# KiCad board GPDI_ULX3S_panel.kicad_pcb (continued)
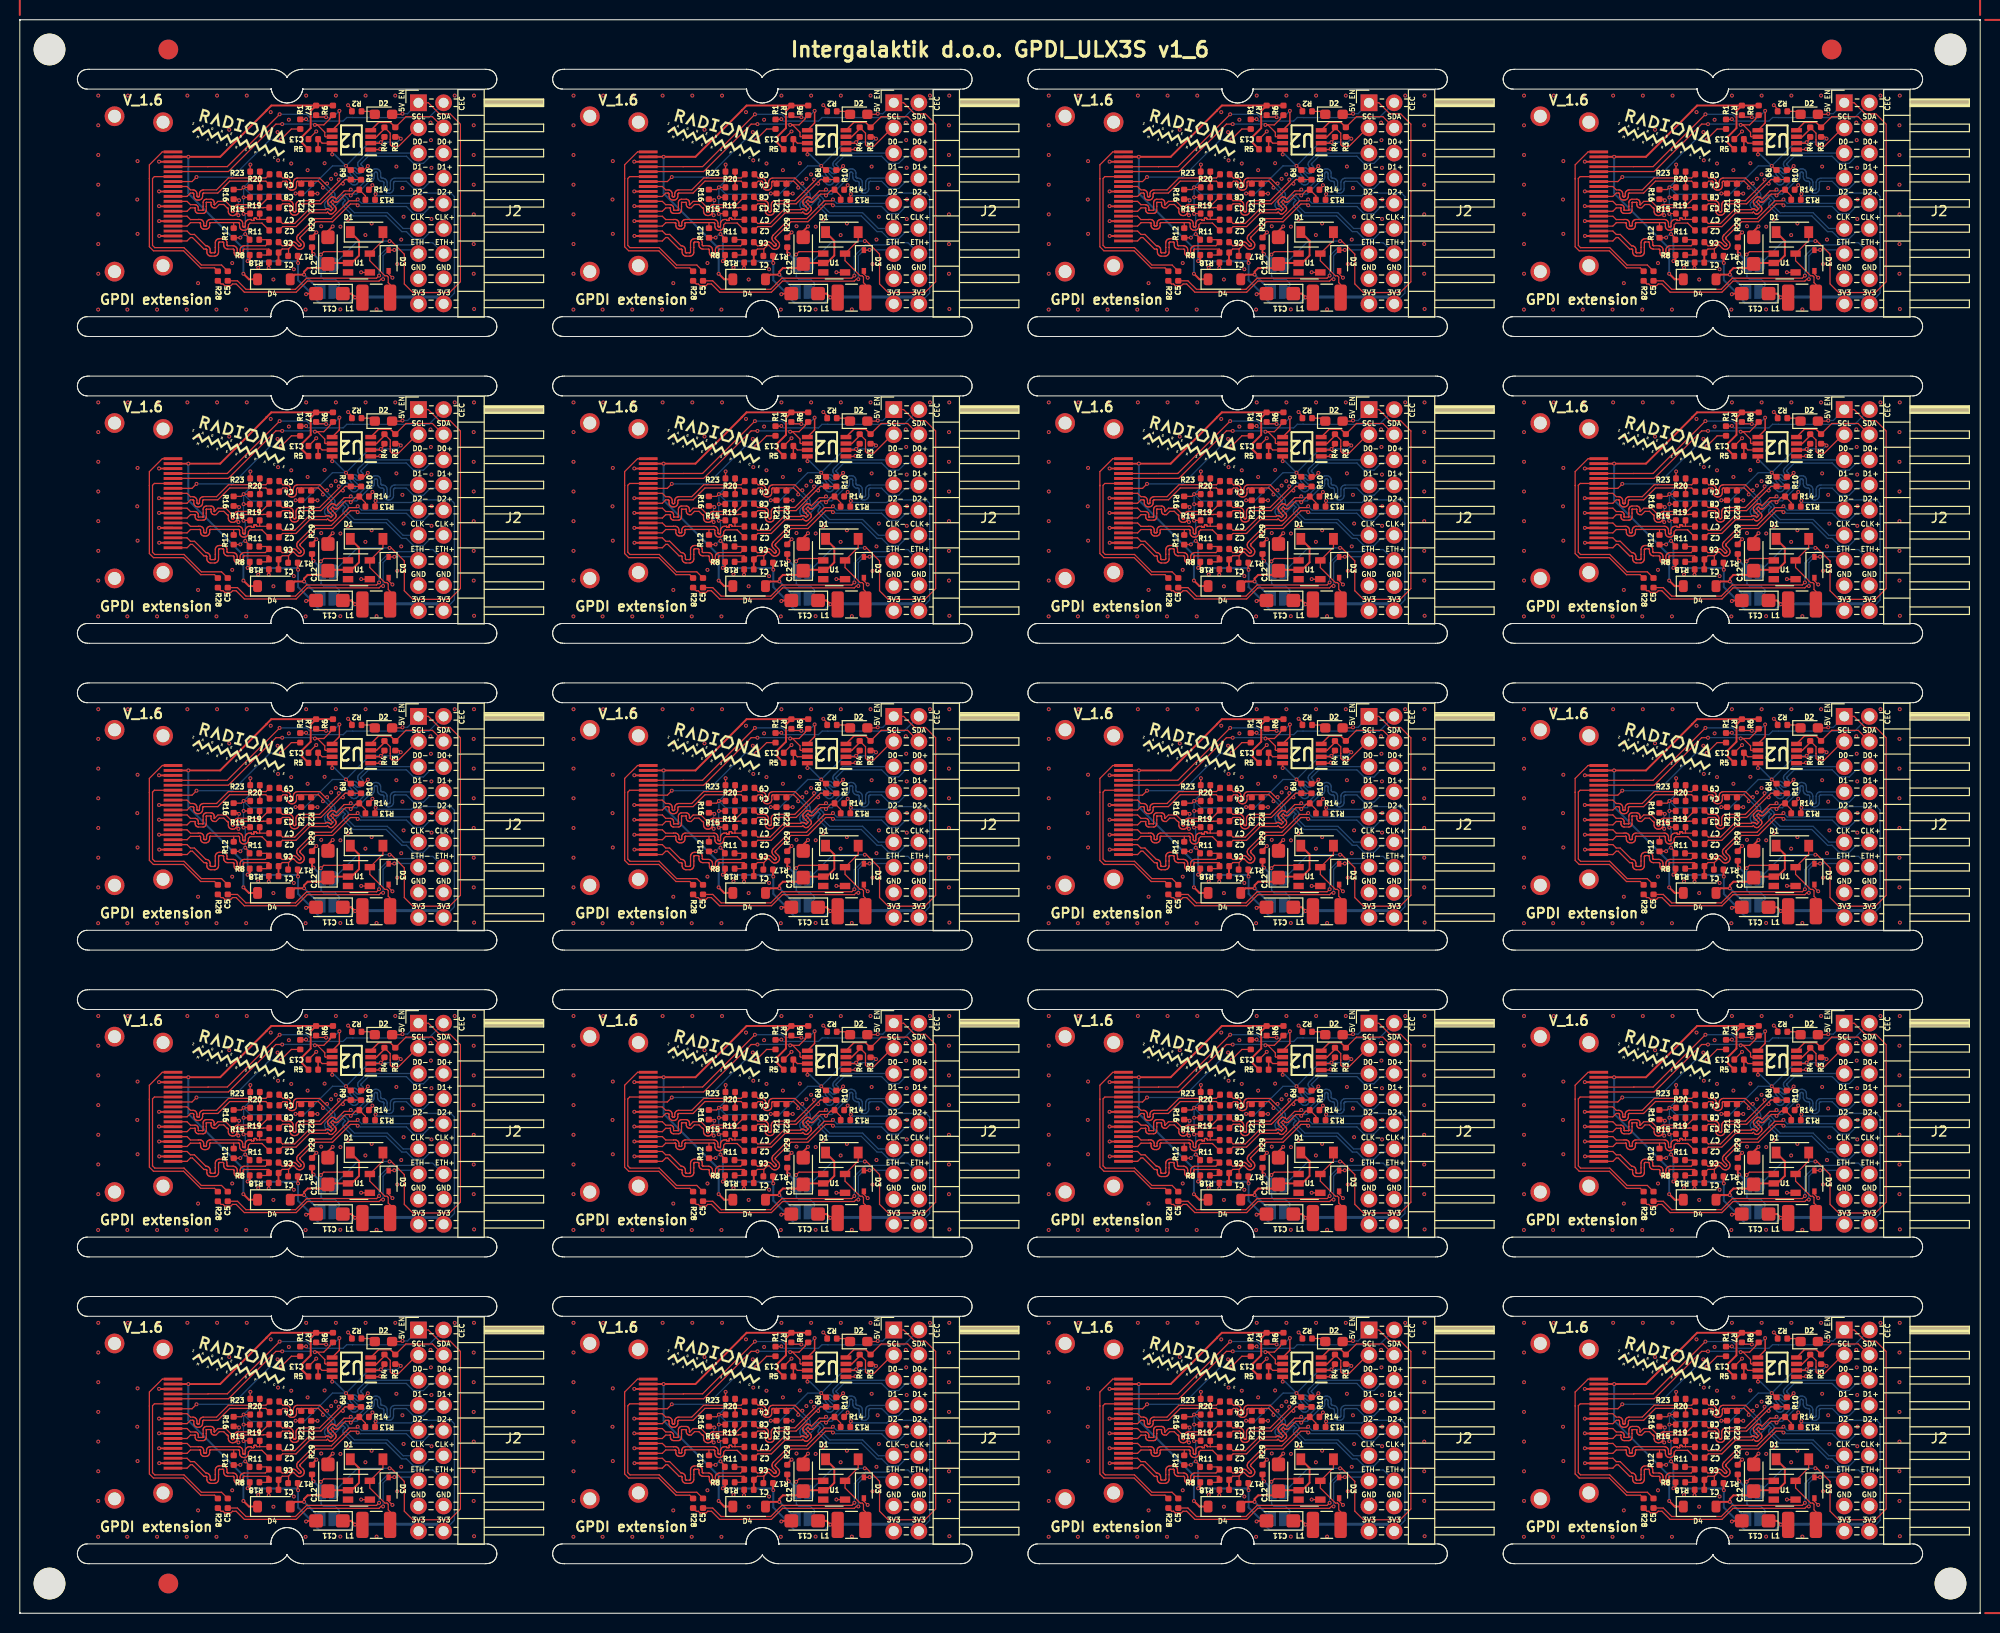
[diagram p0: board, top side]
## Routing (per net, layer and track width the routed paths; a pad name or vN(x,y) marks a point on that pad's centre or on a via; arc(x,y) is an arc through that point) (continued)
Board_2-GPDI_SCL: length 21.1
  Top w0.127: R6#5.2 127.32,151.06 127.32,151 126.7,150.38 v1(125.8,150.38) 126.05,150.38 126.8,149.63 126.8,149.25 126.87,149.18 U2#12.6 ; P1#2.15 111.48,145.67 117.07,145.67 121.86,150.46 v1(122.5,150.46)
  Bottom w0.127: v1(125.8,150.38) 125.71,150.47 122.51,150.47 v1(122.5,150.46)
Board_2-GPDI_SDA: length 22.8
  Top w0.127: v1(126.93,151.16) 126.91,151.18 126.11,151.18 R7#3.2 ; v1(122.24,151.45) 116.96,146.17 115.02,146.17 115.01,146.15 P1#2.16
  Top w0.15: U2#12.5 128.27,150.57 v1(128.27,151.8)
  Bottom w0.127: v1(122.24,151.45) 124.97,151.45 125.25,151.17 126.92,151.17 v1(126.93,151.16) 126.99,151.1 127.58,151.1 v1(128.27,151.8)
Board_2-Net-(D1-A): length 8.1
  Top w0.127: D1.2 132.67,138.7 U1#6.5 131.35,136.66 132.87,135.13 133.08,135.13 133.21,135.01 133.21,134.44 133.4,134.25 L1#16.2
Board_2-Net-(D1-K): length 13.2
  Top w0.2: D4#2.2 123.78,135.25 v1(124.71,135.25) 124.71,135.55 125.07,135.91 126.7,135.91 C12#12.1 127.22,136.43 U1#6.2 129.51,136.43 130.26,137.18 130.26,138.66 D1.1
  Bottom w0.2: v1(124.71,135.25) 126.37,133.59 JP2#15.1
Board_2-Net-(D2-K): length 1.5
  Top w0.127: R2#10.1 131.55,151.75 D2#10.1
Board_2-Net-(U2-VREF2): length 2.6
  Top w0.127: U2#12.7 126.53,148.53 C13#15.1
  Top w0.15: R5#8.2 C13#15.1
Board_2-PMOD_SCL: length 8.1
  Top w0.127: R4#7.2 133.41,149.55 133.41,148.88 133.41,148.88 133.41,148.38 133.59,148.21 134.25,148.21 136.11,150.07 J2#19.3 135.88,149.69
  Top w0.15: U2#12.3 132.03,149.18 132.82,149.98 R4#7.2
Board_2-PMOD_SDA: length 8.8
  Top w0.127: J2#19.4 137.67,151.21 135,151.21 R3#11.2
  Top w0.15: U2#12.4 132.24,150.63 133.43,150.63 R3#11.2
Board_3-5V_ENABLE: length 54.8
  Top w0.127: 183.8,152.15 J2#8.1 185.26,152.62 186.39,151.49 187.46,151.49 188.5,150.45 188.5,134.53 187.41,133.44 183.7,133.44 182.83,134.31 182.83,137.32 181.51,138.64 v1(181.34,138.64) ; v1(182.65,151.51) 182.59,151.45 D2#17.2 ; U1#14.1 176.95,137.57 174.7,137.57 v1(174.41,137.28)
  Top w0.2: v1(173.66,137.33) 173.51,137.48 R29#12.1
  Bottom w0.127: v1(174.41,137.28) 174.41,137.01 174.42,137 JP1.2 174.43,136.25 174.43,135.03 174.44,135.03 174.68,134.79 175.86,134.79 176.26,134.39 176.26,134.13 JP2#5.2 ; v1(182.65,151.51) 183.16,151.51 J2#8.1 ; v1(181.34,138.64) 178.12,138.64 JP1.1
  Bottom w0.2: v1(173.66,137.33) 174.42,136.57 JP1.2
  Bottom w0.5: JP1.2 JP1.1
Board_3-+3V3: length 87.4
  Top w0.127: R13#8.1 179.88,143.33 v1(179.93,143.38) ; R3.1 182.3,149.16 v1(182.47,148.99) ; R20#10.1 v1(166.6,144.07) 166.38,143.85 R16#16.1 ; R12#14.1 166.26,138.97 v1(166.27,138.99) ; v1(177.86,132.95) 177.88,132.93 L1#3.1 ; v1(176.94,146.24) 177.36,145.82 R9#18.1 ; R23#13.1 167.27,146.35 v1(167.29,146.37) ; v1(166.77,139.35) 167.21,138.91 R11#17.1 ; R19#11.1 v1(166.6,143.06) ; v1(166.59,141.39) 166.62,141.42 R15#14.1 ; v1(171.85,143.45) R21#18.1 ; R4#16.1 180.82,148.99 v1(180.47,148.63)
  Top w0.15: v1(175.55,147.4) 175.54,147.41 U2#4.8 ; U2#4.2 180.37,148.53 v1(180.47,148.63)
  Top w0.2: R17#7.1 172.07,136.46 v1(172.1,136.43) ; R8#14.1 167.23,136.84 v1(167.01,136.62) ; C11#15.1 177.48,133.33 v1(177.86,132.95)
  Bottom w0.127: v1(179.93,143.38) 180.08,143.23 183.56,143.23 183.83,143.5 187.54,143.5 187.89,143.14 187.89,133.38 J2#8.18 ; v1(166.6,144.07) 167.29,144.75 v1(167.29,146.37) ; v1(166.6,144.07) 167.3,143.37 171.77,143.37 v1(171.85,143.45) 172.79,143.45 175.58,146.24 v1(176.94,146.24) 179.34,148.63 v1(180.47,148.63) 182.12,148.63 v1(182.47,148.99) ; v1(166.6,144.07) v1(166.6,143.06) 166.59,143.05 v1(166.59,141.39) 166.77,141.22 v1(166.77,139.35) 166.63,139.35 v1(166.27,138.99)
  Bottom w0.15: v1(176.94,146.24) 175.78,147.4 v1(175.55,147.4)
  Bottom w0.2: v1(166.77,139.35) 167.01,139.11 v1(167.01,136.62) 167.03,136.6 171.93,136.6 v1(172.1,136.43) 172.1,134.68 173.65,133.14 173.65,133 174.24,132.41 177.32,132.41 v1(177.86,132.95)
  Bottom w0.3: v1(177.86,132.95) 177.9,132.99 186.11,132.99 J2#8.18
Board_3-+5V: length 39.3
  Top w0.2: D4#11.1 167.14,134.78 v1(166.58,135.34) ; R7.1 173.38,151.79 173.38,150.06 172.53,149.2 172.53,148.55 R5#9.1 ; R7.1 R6#9.1 ; R7.1 169.4,152.34 168.92,151.85 168.92,151.83 164.24,147.15 v1(161.02,147.15) P1#6.18
  Bottom w0.2: v1(161.02,147.15) 161.02,143.46 166.58,137.9 v1(166.58,135.34)
Board_3-/CEC: length 15.1
  Top w0.127: v1(161.85,145.11) 161.39,144.65 P1#6.13 ; R1#3.1 171.43,149.97 v1(170.37,148.91)
  Bottom w0.127: v1(170.37,148.91) 169.28,148.91 165.47,145.11 v1(161.85,145.11)
Board_3-/CLK+: length 12.1
  Top w0.127: P1#6.10 160.89,143.15 161.23,143.5 161.45,143.5 161.48,143.49 161.51,143.48 161.53,143.47 161.55,143.45 161.56,143.43 161.57,143.4 161.57,143.38 161.57,143.19 161.58,143.1 161.61,143.02 161.66,142.94 161.73,142.87 161.8,142.82 161.89,142.79 161.98,142.78 162.05,142.78 162.14,142.79 162.23,142.82 162.31,142.87 162.37,142.94 162.42,143.02 162.45,143.1 162.46,143.19 162.46,143.38 162.47,143.4 162.48,143.43 162.49,143.45 162.51,143.47 162.53,143.48 162.55,143.49 162.58,143.5 164,143.5 165.2,144.7 168.85,144.7 C4#11.2
  Top w0.15: R20#10.2 168.24,144.66
Board_3-/CLK-: length 12.2
  Top w0.127: P1#6.12 160.89,144.15 161.23,143.81 161.48,143.81 161.57,143.8 161.66,143.77 161.74,143.72 161.8,143.66 161.85,143.58 161.88,143.49 161.89,143.4 161.89,143.22 161.89,143.19 161.9,143.17 161.92,143.15 161.93,143.13 161.96,143.11 161.98,143.1 162.01,143.1 162.03,143.1 162.05,143.1 162.08,143.11 162.1,143.13 162.12,143.15 162.13,143.17 162.14,143.19 162.14,143.22 162.14,143.4 162.15,143.49 162.19,143.58 162.23,143.66 162.3,143.72 162.38,143.77 162.46,143.8 162.56,143.81 163.87,143.81 165.07,145.02 168.26,145.02 ; 168.26,145.02 168.24,145.03 R23#13.2 ; 168.26,145.02 168.85,145.02 C9#17.2
Board_3-/D0+: length 15.7
  Top w0.127: v1(166.08,141.25) 165.95,141.38 165.86,141.38 ; 165.86,141.38 165.91,141.46 165.94,141.55 165.95,141.64 165.95,141.88 165.95,141.91 165.96,141.93 165.98,141.96 166,141.98 166.02,141.99 166.05,142 166.08,142.01 166.15,142.01 166.18,142 166.2,141.99 166.23,141.98 166.25,141.96 166.26,141.93 166.27,141.91 166.28,141.88 166.28,141.87 166.28,141.84 166.29,141.82 166.3,141.79 166.32,141.77 166.35,141.76 166.37,141.75 166.4,141.75 166.43,141.75 166.46,141.76 166.48,141.77 166.5,141.79 166.52,141.82 166.53,141.84 166.53,141.87 166.53,141.88 166.53,141.91 166.54,141.93 166.56,141.96 166.58,141.98 166.6,141.99 166.63,142 166.66,142.01 168.57,142.01 168.59,142.03 C3#2.2 ; 165.86,141.38 165.79,141.31 165.71,141.26 165.62,141.23 165.53,141.22 165.48,141.22 165.38,141.23 165.3,141.26 165.22,141.31 165.15,141.38 165.1,141.46 165.07,141.55 165.06,141.64 165.06,141.88 165.05,141.91 165.04,141.93 165.03,141.96 165.01,141.98 164.99,141.99 164.96,142 164.93,142.01 164.6,142.34 164.14,142.34 163.8,142 163.65,142 163.58,142 163.5,142.03 163.44,142.07 163.39,142.12 163.35,142.19 163.32,142.26 163.31,142.33 163.31,142.51 163.31,142.52 163.31,142.53 163.3,142.54 163.3,142.54 163.29,142.55 163.28,142.55 163.27,142.55 162.87,142.55 162.86,142.55 162.85,142.55 162.85,142.54 162.84,142.54 162.84,142.53 162.83,142.52 162.83,142.51 162.83,142.15 162.83,141.78 162.82,141.7 162.8,141.63 162.76,141.57 162.7,141.51 162.64,141.47 162.57,141.45 162.49,141.44 162.05,141.44 161.97,141.45 161.9,141.47 161.84,141.51 161.79,141.57 161.74,141.63 161.72,141.7 161.71,141.78 161.71,141.96 161.71,141.97 161.71,141.97 161.7,141.98 161.7,141.99 161.69,141.99 161.68,141.99 161.67,142 161.23,142 160.89,141.65 P1#6.7 ; v1(166.15,142.76) 166.03,142.88 R16#16.2
  Bottom w0.127: v1(166.08,141.25) 166.08,142.7 v1(166.15,142.76)
Board_3-/D0-: length 14.1
  Top w0.127: P1#6.9 160.89,142.65 161.23,142.31 161.69,142.31 161.77,142.31 161.84,142.28 161.9,142.24 161.96,142.19 162,142.12 162.02,142.05 162.03,141.98 162.03,141.8 162.03,141.79 162.03,141.78 162.04,141.77 162.05,141.77 162.05,141.76 162.06,141.76 162.07,141.76 162.47,141.76 162.48,141.76 162.49,141.76 162.5,141.77 162.5,141.77 162.51,141.78 162.51,141.79 162.51,141.8 162.51,142.15 162.51,142.15 162.51,142.53 162.52,142.61 162.55,142.68 162.59,142.74 162.64,142.8 162.7,142.84 162.78,142.86 162.85,142.87 163.29,142.87 163.37,142.86 163.44,142.84 163.5,142.8 163.56,142.74 163.6,142.68 163.62,142.61 163.63,142.53 163.63,142.35 163.63,142.34 163.64,142.34 163.64,142.33 163.65,142.32 163.65,142.32 163.66,142.32 163.67,142.31 164.01,142.65 164.8,142.65 165.28,142.17 165.33,142.09 165.37,142 165.38,141.91 165.38,141.67 165.38,141.64 165.39,141.61 165.4,141.59 165.42,141.57 165.45,141.55 165.47,141.54 165.5,141.54 165.53,141.54 165.56,141.55 165.58,141.57 165.6,141.59 165.62,141.61 165.63,141.64 165.63,141.67 165.63,141.91 165.64,142 165.67,142.09 165.72,142.17 165.79,142.23 165.87,142.28 165.96,142.31 166.05,142.33 168.39,142.33 C8#5.2 169.13,143.06
  Top w0.15: 168.2,142.33 168.22,142.34 R19#11.2
Board_3-/D1+: length 12.6
  Top w0.127: P1#6.4 160.89,140.15 161.23,140.5 162.15,140.5 162.16,140.51 162.18,140.5 162.2,140.5 162.22,140.49 162.23,140.47 162.25,140.45 162.25,140.43 162.26,140.41 162.26,140.23 162.27,140.14 162.29,140.06 162.34,139.99 162.4,139.93 162.48,139.88 162.56,139.85 162.64,139.84 162.79,139.84 162.87,139.85 162.95,139.88 163.03,139.93 163.09,139.99 163.14,140.06 163.16,140.14 163.17,140.23 163.17,140.41 163.18,140.43 163.18,140.45 163.19,140.47 163.21,140.49 163.23,140.5 163.25,140.5 163.27,140.51 166.07,140.51 166.1,140.5 166.13,140.49 166.15,140.48 166.17,140.46 166.18,140.43 166.19,140.41 166.2,140.38 166.2,140.15 166.21,140.05 166.24,139.97 166.29,139.89 166.36,139.82 166.44,139.77 166.52,139.74 166.62,139.73 166.67,139.73 166.76,139.74 166.85,139.77 166.93,139.82 167,139.89 167.05,139.97 167.08,140.05 167.09,140.15 167.09,140.29 167.26,140.46 168.45,140.46 C2#8.2 ; R12#14.2 165.6,140.49
Board_3-/D1-: length 12.8
  Top w0.127: 168.23,140.83 167.97,140.83 167.95,140.83 167.94,140.83 167.92,140.84 167.91,140.85 167.9,140.87 167.9,140.88 167.9,140.91 167.89,140.93 167.88,140.94 167.87,140.96 167.86,140.96 167.84,140.97 167.82,140.97 167.72,140.97 167.7,140.97 167.68,140.96 167.67,140.96 167.66,140.94 167.65,140.93 167.65,140.91 167.64,140.9 167.64,140.78 167.64,140.76 167.64,140.75 167.63,140.74 167.62,140.74 167.61,140.73 167.6,140.73 167.59,140.73 167.44,140.73 167.43,140.73 167.42,140.73 167.41,140.74 167.4,140.74 167.39,140.75 167.39,140.76 167.39,140.79 167.38,140.8 167.38,140.81 167.37,140.81 167.36,140.82 167.35,140.82 167.34,140.83 167.19,140.83 167.1,140.81 167.01,140.78 166.93,140.73 166.86,140.67 166.81,140.59 166.78,140.5 166.77,140.41 166.77,140.17 166.77,140.15 166.76,140.12 166.74,140.09 166.72,140.07 166.7,140.06 166.67,140.05 166.64,140.05 166.61,140.05 166.59,140.06 166.56,140.07 166.54,140.09 166.53,140.12 166.52,140.15 166.52,140.17 166.52,140.41 166.51,140.5 166.47,140.59 166.42,140.67 166.36,140.73 166.28,140.78 166.19,140.81 166.1,140.83 163.24,140.83 163.16,140.82 163.08,140.79 163,140.74 162.94,140.68 162.89,140.61 162.87,140.52 162.86,140.44 162.86,140.25 162.85,140.23 162.85,140.21 162.83,140.2 162.82,140.18 162.8,140.17 162.78,140.16 162.76,140.16 162.67,140.16 162.65,140.16 162.63,140.17 162.61,140.18 162.59,140.2 162.58,140.21 162.58,140.23 162.57,140.25 162.57,140.44 162.56,140.52 162.54,140.61 162.49,140.68 162.43,140.74 162.35,140.79 162.27,140.82 162.19,140.83 162.03,140.83 162.02,140.81 161.23,140.81 160.89,141.15 P1#6.6 ; 168.23,140.83 R15#14.2 ; 168.23,140.83 169.16,140.83 C7#12.2
Board_3-/D2+: length 15
  Top w0.127: R8#14.2 168.92,137.23 C1#5.2 169.17,137.8 169.14,137.83 166.65,137.83 166.62,137.82 166.6,137.79 166.58,137.77 166.57,137.74 166.57,137.71 166.57,137.5 166.56,137.4 166.52,137.31 166.47,137.23 166.4,137.16 166.32,137.1 166.23,137.07 166.13,137.06 166.08,137.06 165.98,137.07 165.89,137.1 165.81,137.16 165.74,137.23 165.69,137.31 165.66,137.4 165.64,137.5 165.64,137.71 165.64,137.74 165.63,137.77 165.61,137.79 165.59,137.82 165.56,137.83 165.01,137.83 164.91,137.84 164.83,137.88 164.75,137.92 164.68,137.99 164.63,138.07 164.6,138.16 164.59,138.25 164.59,138.44 164.59,138.47 164.58,138.49 164.57,138.51 164.55,138.53 164.53,138.54 164.51,138.55 164.48,138.55 164.18,138.55 164.16,138.55 164.14,138.54 164.11,138.53 164.1,138.51 164.08,138.49 164.08,138.47 164.07,138.44 164.07,138 164.07,137.53 164.06,137.44 164.03,137.35 163.98,137.27 163.92,137.21 163.84,137.16 163.75,137.13 163.66,137.12 163.31,137.12 163.21,137.13 163.13,137.16 163.05,137.21 162.98,137.27 162.93,137.35 162.9,137.44 162.89,137.53 162.89,137.73 162.89,137.75 162.88,137.77 162.87,137.79 162.85,137.81 162.83,137.82 162.81,137.83 162.78,137.83 162.6,137.83 161.43,139 161.24,139 160.89,138.65 P1#6.1
Board_3-/D2-: length 14.8
  Top w0.127: P1#6.3 160.89,139.65 161.23,139.31 161.63,139.31 162.78,138.17 162.81,138.17 162.9,138.16 162.99,138.13 163.07,138.08 163.13,138.01 163.18,137.93 163.21,137.84 163.22,137.75 163.22,137.56 163.23,137.54 163.23,137.51 163.25,137.49 163.26,137.48 163.28,137.46 163.31,137.45 163.33,137.45 163.63,137.45 163.66,137.45 163.68,137.46 163.7,137.48 163.72,137.49 163.73,137.51 163.74,137.54 163.74,137.56 163.74,138 163.74,138.47 163.75,138.56 163.78,138.65 163.83,138.73 163.9,138.79 163.98,138.84 164.06,138.87 164.16,138.88 164.51,138.88 164.6,138.87 164.69,138.84 164.77,138.79 164.83,138.73 164.88,138.65 164.91,138.56 164.92,138.47 164.92,138.27 164.93,138.25 164.93,138.23 164.95,138.21 164.96,138.19 164.99,138.18 165.01,138.17 165.03,138.17 165.53,138.17 165.63,138.16 165.72,138.12 165.8,138.07 165.87,138 165.92,137.92 165.95,137.83 165.96,137.73 165.96,137.52 165.97,137.49 165.98,137.46 165.99,137.43 166.02,137.41 166.04,137.39 166.07,137.38 166.11,137.38 166.14,137.38 166.17,137.39 166.19,137.41 166.22,137.43 166.23,137.46 166.24,137.49 166.25,137.52 166.25,137.73 166.26,137.83 166.29,137.92 166.34,138 166.41,138.07 166.49,138.12 166.59,138.16 166.68,138.17 168.8,138.17 C6#10.2 168.91,138.78 R11#17.2
Board_3-/ETH+: length 17.6
  Top w0.127: P1#6.14 157.59,145.15 157.4,144.97 157.4,138.2 157.63,137.98 160.58,137.98 162.34,136.22 164.38,136.22 C5#10.2
Board_3-/ETH-: length 19.2
  Top w0.127: 157.09,144.93 157.09,144.97 ; 157.09,144.93 157.09,146.35 158.39,147.65 P1#6.19 ; 157.09,144.93 157.09,138.07 157.5,137.66 160.54,137.66 162.27,135.93 163.67,135.93 R28#8.1
Board_3-GND: length 17.5
  Top w0.127: D3#11.2 181.25,135.32 v1(181.63,134.94) ; R2#15.2 177.54,151.98 v1(177.15,152.37) ; C13#20.2 173.94,149.72 v1(173.94,149.72) ; v1(178.47,135.49) 178.49,135.47 U1#14.4 ; v1(179.15,146.22) 178.75,145.82 R10#9.2 ; R22#13.2 174.06,143.44 v1(174.07,143.44) ; v1(179.61,144.29) 179.61,144.19 R14#11.2
  Top w0.15: v1(180.4,147.94) 180.35,147.88 U2#4.1
  Top w0.2: v1(172.91,133.27) 172.97,133.33 C11#15.2 ; v1(175.6,140.12) 175.12,139.64 C12#7.2 ; v1(158.07,140.66) 158.07,140.65 P1#6.5 ; v1(158.08,139.16) 158.08,139.15 P1#6.2 ; P1#6.17 158.07,146.65 v1(158.06,146.67) ; R29#12.2 173.51,139.08 v1(173.95,139.52) ; R18#20.2 169.16,135.94 v1(169.14,135.93) ; v1(158.06,142.18) 158.08,142.15 P1#6.8 ; P1#6.11 158.07,143.65 v1(158.06,143.66)
  In1.Cu w0.5: 184.38,134.72 J2#8.15
  vias: v1(151.92,153.34) v1(151.92,150.34) v1(151.92,147.34) v1(151.92,144.34) v1(151.92,141.34) v1(151.92,138.34) v1(151.92,135.34) v1(151.91,131.72) v1(154.92,153.34) v1(154.86,131.72) v1(155.89,146.72) v1(155.86,142.84) v1(155.89,139.37) v1(157.92,153.34) v1(157.86,131.72) v1(160.92,153.34) v1(160.86,131.72) v1(162.02,149.97) v1(162,134.39) v1(163.92,153.34) v1(163.86,131.72) v1(165.15,149.89) v1(165.45,136.42) v1(166.92,153.34) v1(166.86,131.72) v1(168.08,135.94) v1(169.34,151.67) v1(169.61,134.76) v1(170.03,149.65) v1(170.08,146.8) v1(171.17,150.9) v1(171.41,146.48) v1(171.68,135.79) v1(172.92,153.34) v1(172.86,131.72) v1(173.07,145.81) v1(174.44,140.14) v1(174.78,146.51) v1(175.44,144.93) v1(175.92,153.34) v1(175.91,145.38) v1(176.38,140.1) v1(176.37,131.74) v1(177.14,140.81) v1(178.92,153.34) v1(178.9,139.25) v1(179.53,140.42) v1(180.03,131.74) v1(181.92,153.34) v1(182.03,146.17) v1(182.12,136.32) v1(182.52,138.79) v1(182.64,144) v1(182.76,141.1) v1(185.48,150.61) v1(185.52,148.84) v1(185.57,146.05) v1(185.6,142.85) v1(185.58,140.87) v1(187.92,153.34) v1(189.84,150.34) v1(189.84,147.34) v1(189.84,144.34) v1(189.84,141.34) v1(189.84,138.34) v1(189.84,135.34) v1(189.87,153.34) v1(189.88,131.78)
Board_3-GPDI_CEC: length 15.3
  Top w0.127: v1(172.91,150.96) 172.89,150.94 R1#3.2
  Bottom w0.127: v1(172.91,150.96) 173.1,150.77 176.66,150.77 177.02,151.13 177.6,151.13 177.61,151.12 185.31,151.12 J2#8.2
Board_3-GPDI_CLK+: length 24.8
  Top w0.127: 173.43,144.69 174.16,144.69 174.62,144.23 v1(174.62,144.04) ; 173.42,144.69 R22#13.1 ; 173.43,144.69 172.44,144.69 ; R21#18.2 172.42,144.67 172.44,144.69 ; 172.44,144.69 172.09,144.69 172.06,144.69 172.03,144.68 172,144.66 171.98,144.64 171.96,144.61 171.95,144.58 171.95,144.55 171.95,144.22 171.94,144.12 171.9,144.03 171.85,143.95 171.78,143.88 171.7,143.83 171.61,143.8 171.51,143.79 171.46,143.79 171.36,143.8 171.27,143.83 171.19,143.88 171.12,143.95 171.07,144.03 171.04,144.12 171.03,144.22 171.03,144.55 171.02,144.58 171.01,144.61 171,144.64 170.97,144.66 170.95,144.68 170.92,144.69 170.89,144.69 170.57,144.69 C4#11.1
  Bottom w0.127: v1(174.62,144.04) 174.81,144.04 175.46,143.39 175.48,143.36 175.49,143.33 175.5,143.29 175.5,143.26 175.49,143.22 175.48,143.19 175.46,143.16 174.91,142.61 174.85,142.53 174.8,142.44 174.78,142.34 174.78,142.24 174.8,142.14 174.85,142.05 174.91,141.97 174.95,141.93 175.03,141.86 175.12,141.82 175.22,141.8 175.32,141.8 175.42,141.82 175.51,141.86 175.59,141.93 176.62,142.95 176.63,142.96 176.63,142.96 176.64,142.96 176.65,142.96 176.65,142.96 176.66,142.96 176.67,142.95 176.85,142.77 176.86,142.76 176.86,142.75 176.86,142.75 176.86,142.74 176.86,142.73 176.86,142.72 176.85,142.72 176.73,142.59 176.68,142.53 176.65,142.47 176.63,142.39 176.63,142.32 176.65,142.25 176.68,142.18 176.73,142.12 177.66,141.19 180.99,141.19 182.58,139.6 183.04,139.6 183.76,138.87 184.76,138.87 185.48,139.6 186.48,139.6 J2#8.12
Board_3-GPDI_CLK-: length 21
  Top w0.127: v1(175.03,144.46) 174.84,144.46 174.29,145.01 172.06,145.01 171.96,145 171.87,144.97 171.79,144.92 171.72,144.85 171.67,144.77 171.64,144.68 171.63,144.58 171.63,144.25 171.62,144.21 171.61,144.18 171.6,144.16 171.57,144.14 171.55,144.12 171.52,144.11 171.49,144.1 171.46,144.11 171.43,144.12 171.4,144.14 171.38,144.16 171.36,144.18 171.35,144.21 171.35,144.25 171.35,144.58 171.34,144.68 171.3,144.77 171.25,144.85 171.18,144.92 171.1,144.97 171.01,145 170.91,145.01 170.57,145.01 C9#17.1
  Bottom w0.127: J2#8.11 182.71,139.91 181.12,141.51 177.79,141.51 176.97,142.33 176.96,142.34 176.96,142.35 176.96,142.35 176.96,142.36 176.96,142.37 176.96,142.37 176.97,142.38 177.09,142.51 177.14,142.57 177.17,142.63 177.19,142.71 177.19,142.78 177.17,142.85 177.14,142.92 177.09,142.98 176.88,143.19 176.82,143.24 176.75,143.27 176.68,143.29 176.61,143.29 176.53,143.27 176.47,143.24 176.41,143.19 175.39,142.17 175.36,142.15 175.33,142.13 175.29,142.13 175.25,142.13 175.22,142.13 175.18,142.15 175.15,142.17 175.13,142.2 175.12,142.24 175.11,142.27 175.11,142.31 175.12,142.34 175.13,142.38 175.15,142.41 175.7,142.95 175.76,143.03 175.81,143.13 175.83,143.23 175.83,143.33 175.81,143.43 175.76,143.52 175.7,143.6 175.03,144.27 v1(175.03,144.46)
Board_3-GPDI_D0+: length 26.3
  Top w0.127: R10#9.1 178.46,144.85 R9#18.2 176.86,144.85 176.63,144.63 v1(176.63,144.44) 176.44,144.44 174.4,142.4 172.35,142.4 172.32,142.4 172.29,142.39 172.26,142.37 172.24,142.35 172.23,142.32 172.22,142.29 172.21,142.26 172.21,141.69 172.2,141.59 172.17,141.5 172.12,141.42 172.05,141.35 171.97,141.3 171.88,141.27 171.78,141.26 171.73,141.26 171.63,141.27 171.54,141.3 171.46,141.35 171.39,141.42 171.34,141.5 171.3,141.59 171.29,141.69 171.29,142.26 171.29,142.29 171.28,142.32 171.26,142.35 171.24,142.37 171.21,142.39 171.18,142.4 171.15,142.4 170.53,142.4 C3#2.1
  Bottom w0.127: v1(176.63,144.44) 176.63,144.63 176.85,144.85 176.87,144.87 176.9,144.88 176.93,144.89 176.96,144.89 176.99,144.88 177.02,144.87 177.05,144.85 177.46,144.43 177.54,144.37 177.62,144.33 177.72,144.31 177.82,144.31 177.91,144.33 178,144.37 178.07,144.43 178.11,144.47 178.17,144.55 178.21,144.63 178.24,144.73 178.24,144.83 178.21,144.92 178.17,145.01 178.11,145.08 177.7,145.5 177.68,145.52 177.66,145.55 177.66,145.58 177.66,145.61 177.66,145.64 177.68,145.67 177.7,145.7 177.71,145.71 177.73,145.72 177.75,145.72 177.77,145.72 177.79,145.72 177.81,145.71 177.82,145.7 177.95,145.57 178.02,145.51 178.1,145.48 178.18,145.46 178.27,145.46 178.35,145.48 178.43,145.51 178.5,145.57 178.6,145.67 178.66,145.74 178.7,145.82 178.71,145.9 178.71,145.99 178.7,146.07 178.66,146.15 178.6,146.22 178.47,146.35 178.46,146.36 178.45,146.38 178.45,146.4 178.45,146.42 178.45,146.44 178.46,146.46 178.47,146.47 179.22,147.22 183.04,147.22 183.76,146.49 184.76,146.49 185.48,147.22 186.48,147.22 J2#8.6
Board_3-GPDI_D0-: length 20.9
  Top w0.127: v1(176.22,144.86) 176.22,144.67 174.27,142.72 172.33,142.72 172.23,142.71 172.14,142.68 172.06,142.63 171.99,142.56 171.94,142.48 171.9,142.39 171.89,142.29 171.89,141.72 171.89,141.69 171.88,141.66 171.86,141.63 171.84,141.61 171.81,141.59 171.78,141.58 171.75,141.58 171.72,141.58 171.69,141.59 171.66,141.61 171.64,141.63 171.63,141.66 171.62,141.69 171.61,141.72 171.61,142.29 171.6,142.39 171.57,142.48 171.52,142.56 171.45,142.63 171.37,142.68 171.28,142.71 171.18,142.72 170.53,142.72 C8#5.1
  Bottom w0.127: J2#8.5 179.08,147.53 178.23,146.68 178.18,146.62 178.14,146.54 178.12,146.45 178.12,146.37 178.14,146.28 178.18,146.21 178.23,146.14 178.36,146.01 178.37,145.99 178.38,145.97 178.39,145.95 178.39,145.93 178.38,145.91 178.37,145.9 178.36,145.88 178.29,145.81 178.28,145.8 178.26,145.79 178.24,145.78 178.22,145.78 178.2,145.79 178.18,145.8 178.16,145.81 178.03,145.94 177.97,145.99 177.89,146.03 177.8,146.05 177.72,146.05 177.63,146.03 177.56,145.99 177.49,145.94 177.45,145.9 177.39,145.83 177.35,145.74 177.33,145.65 177.33,145.55 177.35,145.45 177.39,145.37 177.45,145.29 177.87,144.88 177.89,144.85 177.9,144.82 177.91,144.79 177.91,144.76 177.9,144.73 177.89,144.7 177.87,144.68 177.84,144.66 177.81,144.64 177.78,144.64 177.75,144.64 177.72,144.64 177.69,144.66 177.67,144.68 177.25,145.09 177.18,145.15 177.09,145.19 177,145.22 176.9,145.22 176.8,145.19 176.72,145.15 176.64,145.09 176.41,144.86 v1(176.22,144.86)
Board_3-GPDI_D1+: length 26.6
  Top w0.127: R13#8.2 178.91,143.21 R14#11.1 178.19,143.74 177.91,143.74 v1(177.42,143.25) 177.29,143.39 176.89,143.39 176.16,142.66 176.1,142.61 176.04,142.59 175.98,142.57 175.91,142.57 175.85,142.59 175.78,142.61 175.73,142.66 175.61,142.78 175.41,142.58 175.63,142.36 175.62,142.35 175.86,142.11 175.9,142.06 175.93,141.99 175.95,141.93 175.95,141.86 175.93,141.8 175.9,141.74 175.86,141.68 175.63,141.46 175.58,141.42 175.52,141.39 175.46,141.37 175.39,141.37 175.32,141.39 175.26,141.42 175.21,141.46 175.08,141.58 174.99,141.49 173.29,141.49 171.9,140.1 170.54,140.1 C2#8.1
  Bottom w0.127: J2#8.8 186.48,144.68 185.48,144.68 184.76,143.95 183.76,143.95 183.04,144.68 181.91,144.68 181.87,144.67 181.84,144.66 181.81,144.64 181.78,144.61 181.76,144.58 181.75,144.55 181.75,144.51 181.75,143.94 181.73,143.84 181.7,143.74 181.65,143.65 181.57,143.58 181.49,143.53 181.39,143.49 181.29,143.48 181.23,143.48 181.13,143.49 181.03,143.53 180.95,143.58 180.88,143.65 180.82,143.74 180.79,143.84 180.78,143.94 180.78,144.51 180.77,144.55 180.76,144.58 180.74,144.61 180.71,144.64 180.68,144.66 180.65,144.67 180.61,144.68 180.58,144.68 180.48,144.69 180.38,144.72 180.3,144.78 180.23,144.85 180.17,144.93 180.14,145.03 180.13,145.13 180.13,145.45 180.12,145.49 180.11,145.53 180.09,145.56 180.06,145.58 180.03,145.6 180,145.62 179.96,145.62 179.92,145.62 179.89,145.6 179.86,145.58 179.83,145.56 179.81,145.53 179.8,145.49 179.8,145.45 179.8,145.13 179.78,145.03 179.75,144.93 179.7,144.85 179.62,144.78 179.54,144.72 179.44,144.69 179.34,144.68 179.31,144.68 178.03,143.39 177.56,143.39 v1(177.42,143.25)
Board_3-GPDI_D1-: length 21
  Top w0.127: v1(177.42,143.85) 177.29,143.71 176.76,143.71 175.94,142.89 175.82,143.02 175.77,143.06 175.71,143.09 175.64,143.11 175.57,143.11 175.51,143.09 175.45,143.06 175.39,143.02 175.17,142.79 175.13,142.74 175.1,142.68 175.08,142.62 175.08,142.55 175.1,142.48 175.13,142.42 175.17,142.37 175.41,142.13 175.4,142.12 175.62,141.9 175.42,141.7 175.3,141.82 175.24,141.86 175.18,141.89 175.12,141.91 175.05,141.91 174.98,141.89 174.92,141.86 174.87,141.82 174.86,141.81 173.16,141.81 171.77,140.42 170.54,140.42 C7#12.1
  Bottom w0.127: J2#8.7 181.88,145 181.78,144.98 181.68,144.95 181.6,144.9 181.53,144.82 181.47,144.74 181.44,144.64 181.43,144.54 181.43,143.97 181.42,143.93 181.41,143.89 181.39,143.86 181.36,143.84 181.33,143.82 181.3,143.8 181.26,143.8 181.22,143.8 181.19,143.82 181.16,143.84 181.13,143.86 181.11,143.89 181.1,143.93 181.1,143.97 181.1,144.54 181.08,144.64 181.05,144.74 181,144.82 180.92,144.9 180.84,144.95 180.74,144.98 180.64,145 180.61,145 180.57,145 180.54,145.01 180.51,145.03 180.48,145.06 180.46,145.09 180.45,145.12 180.45,145.16 180.45,145.48 180.43,145.58 180.4,145.68 180.35,145.77 180.27,145.84 180.19,145.89 180.09,145.93 179.99,145.94 179.93,145.94 179.83,145.93 179.73,145.89 179.65,145.84 179.58,145.77 179.52,145.68 179.49,145.58 179.48,145.48 179.48,145.16 179.47,145.12 179.46,145.09 179.44,145.06 179.41,145.03 179.38,145.01 179.35,145 179.31,145 179.18,145 177.89,143.71 177.56,143.71 v1(177.42,143.85)
